# Altium PCB zhanji_2018-4-9-1200.PcbDoc (part 1 of 3) (continued)
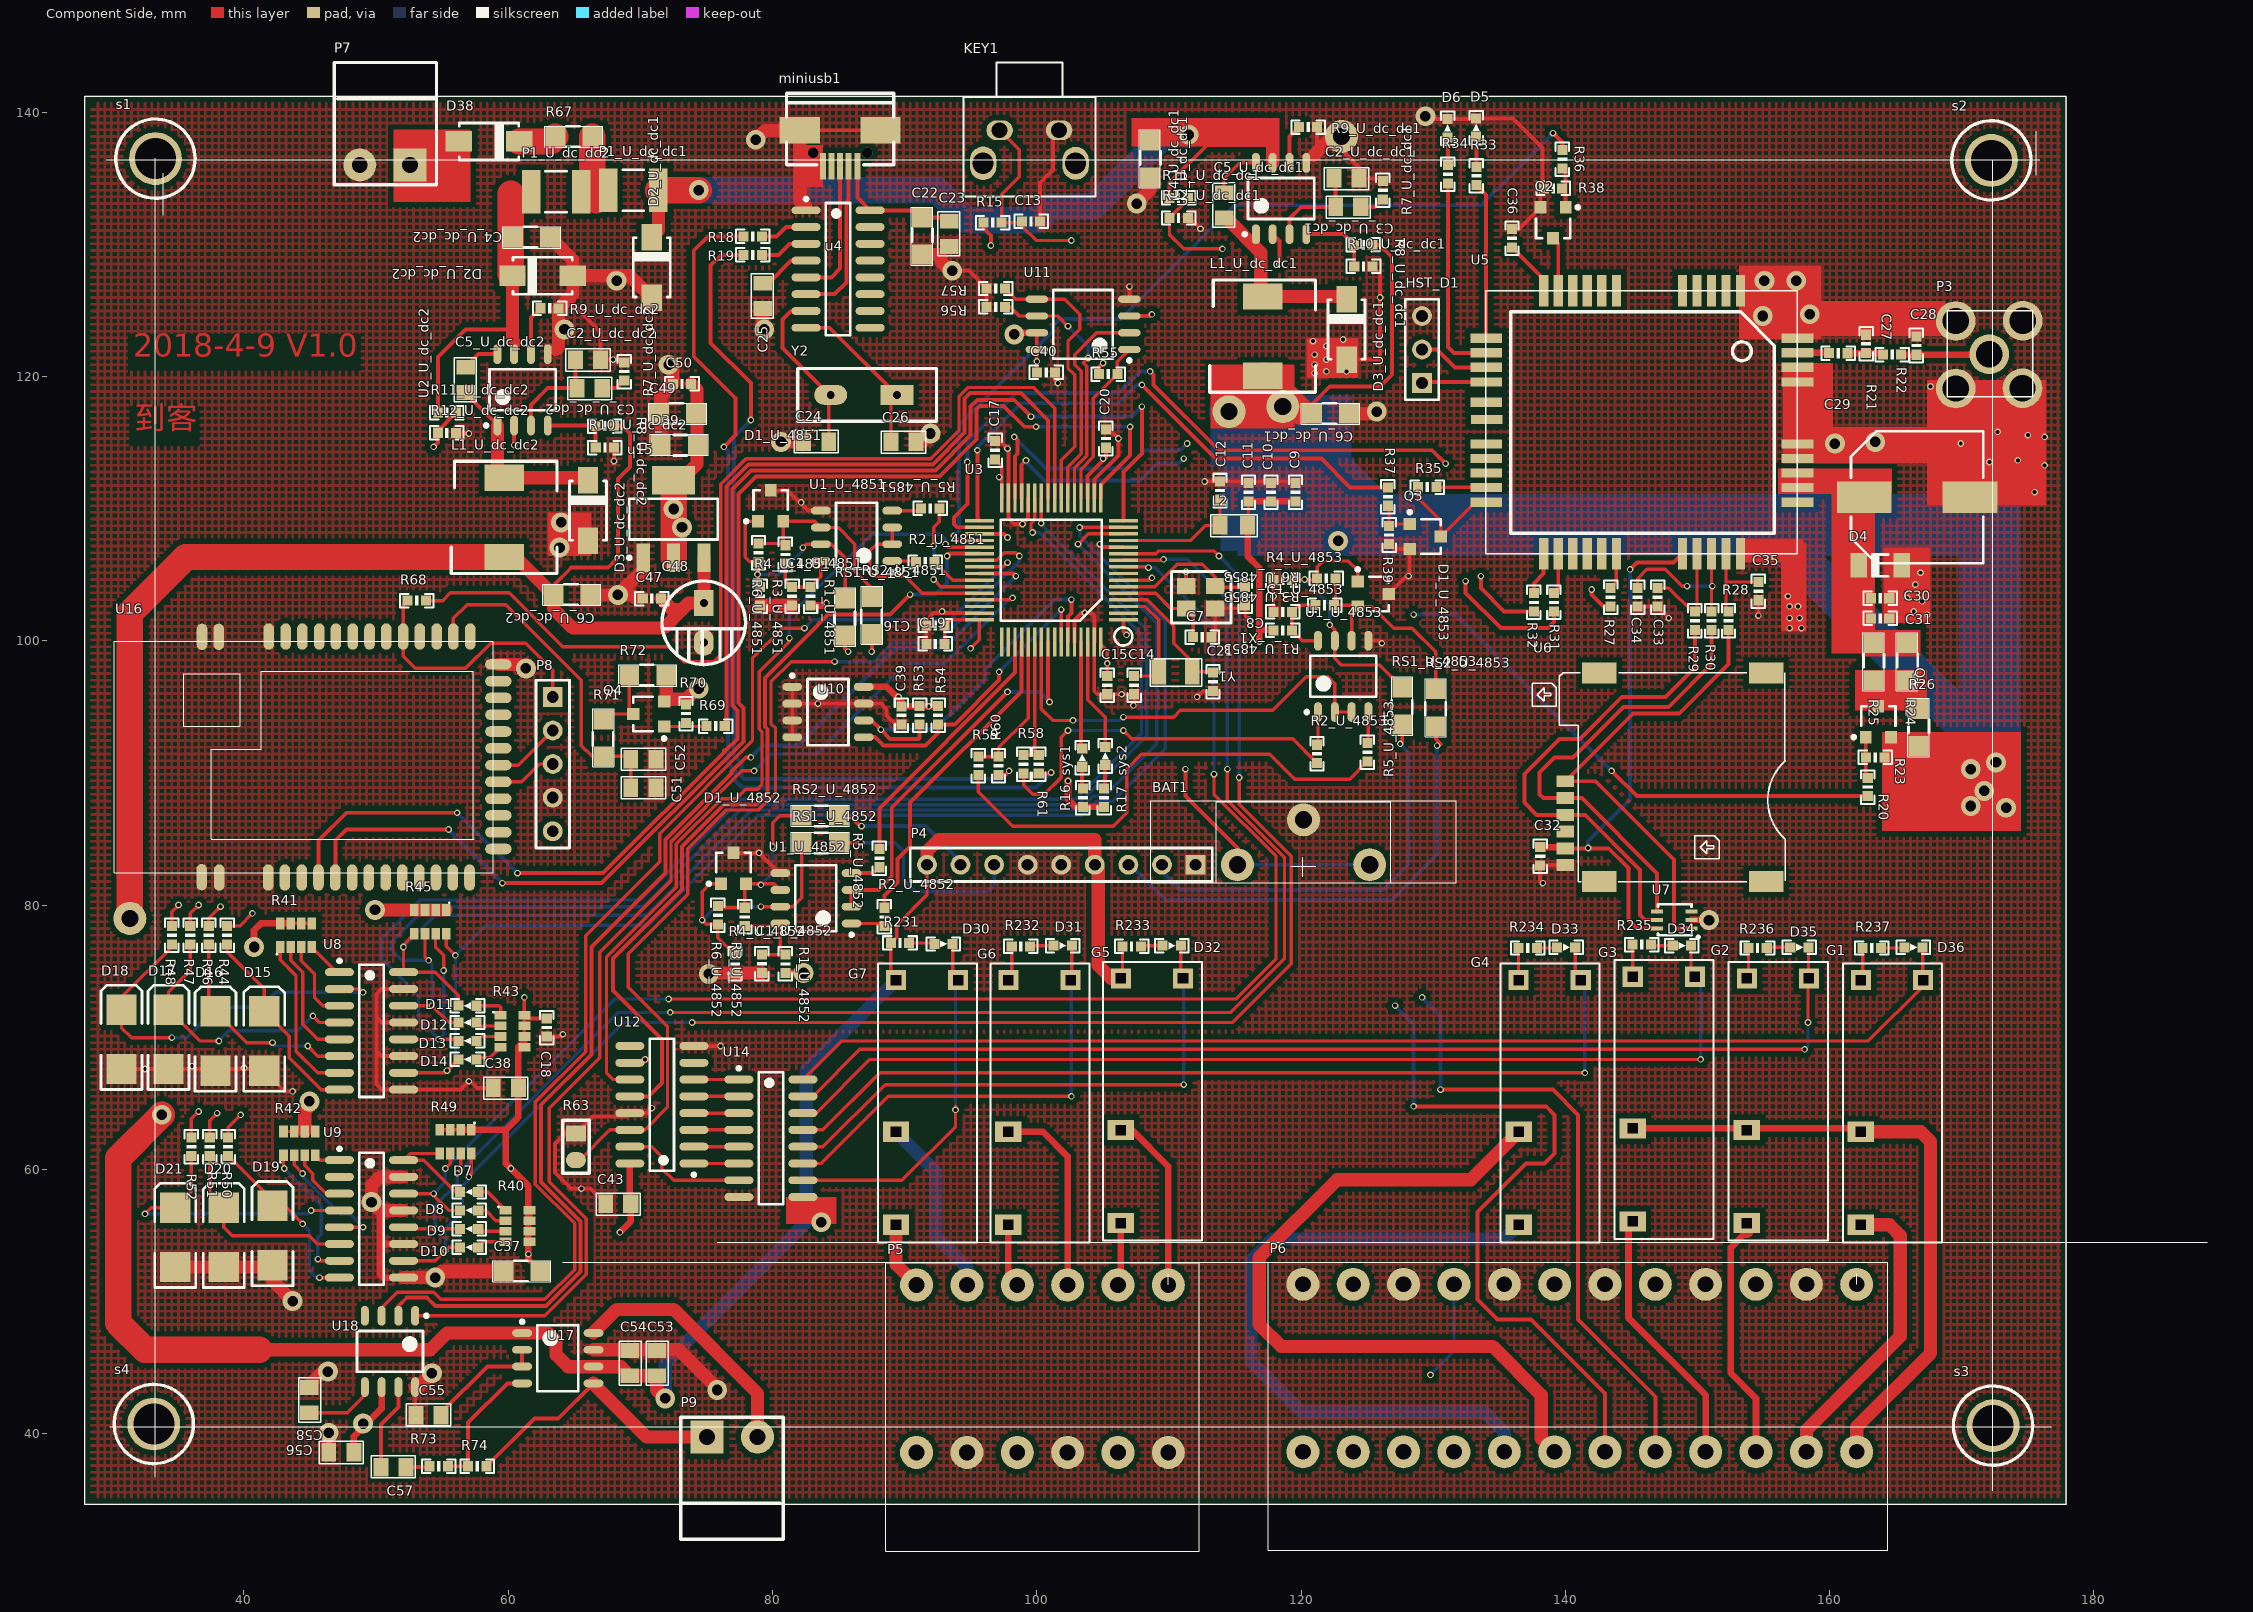
[diagram p0: Component Side view]
## Classes and differential pairs
component class U_4853: C1_U_4853 D1_U_4853 R1_U_4853 R2_U_4853 R3_U_4853 R4_U_4853 R5_U_4853 R6_U_4853 RS1_U_4853 RS2_U_4853 U1_U_4853
component class U_4851: C1_U_4851 D1_U_4851 R1_U_4851 R2_U_4851 R3_U_4851 R4_U_4851 R5_U_4851 R6_U_4851 RS1_U_4851 RS2_U_4851 U1_U_4851
component class U_4852: C1_U_4852 D1_U_4852 R1_U_4852 R2_U_4852 R3_U_4852 R4_U_4852 R5_U_4852 R6_U_4852 RS1_U_4852 RS2_U_4852 U1_U_4852
component class U_dc_dc2: C2_U_dc_dc2 C3_U_dc_dc2 C4_U_dc_dc2 C5_U_dc_dc2 C6_U_dc_dc2 D2_U_dc_dc2 D3_U_dc_dc2 L1_U_dc_dc2 P1_U_dc_dc2 R7_U_dc_dc2 R8_U_dc_dc2 R9_U_dc_dc2 R10_U_dc_dc2 R11_U_dc_dc2 R12_U_dc_dc2 U2_U_dc_dc2
component class U_dc_dc1: C2_U_dc_dc1 C3_U_dc_dc1 C4_U_dc_dc1 C5_U_dc_dc1 C6_U_dc_dc1 D2_U_dc_dc1 D3_U_dc_dc1 L1_U_dc_dc1 P1_U_dc_dc1 R7_U_dc_dc1 R8_U_dc_dc1 R9_U_dc_dc1 R10_U_dc_dc1 R11_U_dc_dc1 R12_U_dc_dc1 U2_U_dc_dc1
component class U_mcu: BAT1 C7 C8 C9 C10 C11 C12 C13 C14 C15 C16 C17 C18 C19 C20 C21 KEY1 L2 R15 R16 R17 s1 s2 s3 s4 sys1 sys2 U3 X1 Y1
component class U_USB转串口调试器: C22 C23 C24 C25 C26 miniusb1 R18 R19 u4 Y2
component class U_WH_GM35: C27 C28 C29 C30 C31 C32 C33 C34 C35 C36 D4 D5 D6 HST_D1 P3 Q1 Q2 Q3 R20 R21 R22 R23 R24 R25 R26 R27 R28 R29 R30 R31 R32 R33 R34 R35 R36 R37 R38 R39 U5 U6 U7
component class U_光耦数据转换: C37 C38 D7 D8 D9 D10 D11 D12 D13 D14 D15 D16 D17 D18 D19 D20 D21 R40 R41 R42 R43 R44 R45 R46 R47 R48 R49 R50 R51 R52 U8 U9
component class U_存储器: C39 C40 R53 R54 R55 R56 R57 U10 U11
component class U_控制器输出: C43 D30 D31 D32 D33 D34 D35 D36 G1 G2 G3 G4 G5 G6 G7 P5 P6 R63 R231 R232 R233 R234 R235 R236 R237 U12 U14
component class U_电源: C47 C48 C49 C50 D38 D39 P7 R67 u15
component class U_蓝牙: C51 C52 P8 Q4 R68 R69 R70 R71 R72 U16
component class U_语音: C53 C54 C55 C56 C57 C58 P9 R73 R74 U17 U18
component class 总设计图: P4 R58 R59 R60 R61
channel class 485: U_4851 U_4852 U_4853
channel class dc_dc: U_dc_dc1 U_dc_dc2

## Components (designator, comment, footprint, x,y, rotation, side; value= is the part's Value field where it differs from the comment)
BAT1 "XH414" "CR2032/2025 电池座 立式" 117.856,84.836 r0 top
C1_U_4851 "104" 0603-C 81.534,103.378 r270 top (schematic designator C1)
C1_U_4852 "104" 0603-C 79.248,75.565 r270 top (schematic designator C1)
C1_U_4853 "104" 0603-C 118.618,102.141 r180 top (schematic designator C1)
C2_U_dc_dc1 "NC" 0805-C 123.444,135.001 r180 top (schematic designator C2)
C2_U_dc_dc2 "NC" 0805-C 66.04,121.285 r180 top (schematic designator C2)
C3_U_dc_dc1 "220P" 0805-C 123.571,132.842 r180 top (schematic designator C3)
C3_U_dc_dc2 "220P" 0805-C 66.167,119.126 r180 top (schematic designator C3)
C4_U_dc_dc1 "10U" 1206-C 108.585,136.525 r90 top (schematic designator C4)
C4_U_dc_dc2 "10U" 1206-C 61.722,130.556 r180 top (schematic designator C4)
C5_U_dc_dc1 "100N" 0805-C 114.173,132.969 r90 top (schematic designator C5)
C5_U_dc_dc2 "100N" 0805-C 56.769,119.761 r90 top (schematic designator C5)
C6_U_dc_dc1 "22U" 1206-C 122.174,117.221 r180 top (schematic designator C6)
C6_U_dc_dc2 "22U" 1206-C 64.77,103.505 r180 top (schematic designator C6)
C7 "6.2pf/ 根据实际匹配" 0603-C 112.522,100.33 r0 top
C8 "6.2pf/ 根据实际匹配" 0603-C 115.824,103.378 r270 top
C9 "104" 0603-C 119.634,111.252 r270 top
C10 "104" 0603-C 117.781,111.252 r270 top
C11 "104" 0603-C 116.078,111.252 r270 top
C12 "104" 0603-C 113.919,111.379 r270 top
C13 "104" 0603-C 99.568,131.699 r180 top
C14 "6.2pf/ 根据实际匹配" 0603-C 107.315,96.647 r90 top
C15 "104" 0603-C 105.283,96.647 r90 top
C16 "104" 0603-C 92.329,101.219 r0 top
C17 "104" 0603-C 96.901,114.427 r270 top
C18 "104" 0603-C 62.865,70.739 r90 top
C19 "104" 0603-C 92.329,99.822 r0 top
C20 "104" 0603-C 105.283,115.316 r270 top
C21 "6.2pf/ 根据实际匹配" 0603-C 113.284,96.901 r90 top
C22 "Cap" 1206-C 91.339,130.683 r90 top
C23 "Cap" 0805-C 93.371,130.81 r90 top
C24 "Cap" 0805-C 83.312,115.062 r0 top
C25 "103" 0805-C 79.248,126.111 r90 top
C26 "Cap" 0805-C 89.916,115.062 r180 top
C27 "Cap" 0603-C 162.814,122.48 r270 top
C28 "Cap" 0603-C 166.624,122.353 r270 top
C29 "220uF" "25V 470UF 10MM*10 SMT" 166.624,110.871 r0 top
C30 "1UF" 0603-C 163.83,103.176 r180 top
C31 "10pF" 0603-C 163.83,101.652 r180 top
C32 "100nF (104) 10% 50V" 0603-C 138.049,83.693 r90 top
C33 "33pF (330) 5% 50V" 0603-C 146.939,103.303 r90 top
C34 "33pF (330) 5% 50V" 0603-C 145.415,103.303 r90 top
C35 "33pF (330) 5% 50V" 0603-C 154.559,103.759 r90 top
C36 "100nF (330) 5% 50V" 0603-C 136.017,130.481 r270 top
C37 "10uf" 1206-C 60.985,52.326 r180 top
C38 "104" 0805-C 59.817,66.167 r180 top
C39 "104" 0603-C 89.813,94.361 r270 top
C40 "104" 0603-C 100.711,120.269 r180 top
C43 "104" 0805-C 68.326,57.404 r180 top
C47 "104" 0603-C 70.866,103.251 r0 top
C48 "220uf 6.3v" 470电容16v 74.803,102.87 r270 top
C49 "220uf 6.3v" 1206-C 72.771,117.221 r180 top
C50 "104" 0603-C 73.152,119.507 r0 top
C51 "106" 0805-C 70.231,88.9 r180 top
C52 "104" 0805-C 70.231,91.059 r180 top
C53 "106" 0805-C 71.247,45.339 r270 top
C54 "104" 0805-C 69.215,45.339 r270 top
C55 "105" 0805-C 53.975,41.402 r0 top
C56 "106" 0805-C 47.371,38.608 r180 top
C57 "105" 0805-C 51.308,37.465 r0 top
C58 "102" 0805-C 44.958,42.545 r270 top
D1_U_4851 "SM712 瞬雷" SOT23-3 79.883,110.109 r0 top (schematic designator D1)
D1_U_4852 "SM712 瞬雷" SOT23-3 77.063,82.677 r0 top (schematic designator D1)
D1_U_4853 "SM712 瞬雷" SOT23-3 125.349,103.538 r270 top (schematic designator D1)
D2_U_dc_dc1 "保护" SMA 70.866,128.27 r90 top (schematic designator D2)
D2_U_dc_dc2 "保护" SMA 62.611,127.635 r180 top (schematic designator D2)
D3_U_dc_dc1 "5819" SMA 123.444,123.571 r90 top (schematic designator D3)
D3_U_dc_dc2 "5819" SMA 66.04,109.855 r90 top (schematic designator D3)
D4 "BV05C" 1206-DI 163.83,105.716 r0 top
D5 "LED" 0603-led-grean 133.223,138.863 r90 top
D6 "LED" 0603-led-grean 131.064,138.811 r90 top
D7 "LED" 0603-led-grean 57.023,58.268 r180 top
D8 "LED" 0603-led-grean 57.023,56.871 r180 top
D9 "LED" 0603-led-grean 57.023,55.474 r180 top
D10 "LED" 0603-led-grean 57.023,54.077 r180 top
D11 "LED" 0603-led-grean 56.896,72.365 r180 top
D12 "LED" 0603-led-grean 56.896,71.095 r180 top
D13 "LED" 0603-led-grean 56.896,69.698 r180 top
D14 "LED" 0603-led-grean 56.896,68.301 r180 top
D15 "TVS_5V" SMB 41.529,69.723 r90 top
D16 "TVS_5V" SMB 37.846,69.723 r90 top
D17 "TVS_5V" SMB 34.29,69.85 r90 top
D18 "TVS_5V" SMB 30.734,69.85 r90 top
D19 "TVS_5V" SMB 42.164,54.991 r90 top
D20 "TVS_5V" SMB 38.481,54.864 r90 top
D21 "TVS_5V" SMB 34.798,54.864 r90 top
D30 "LED" 0603-led-grean 92.964,77.089 r0 top
D31 "LED" 0603-led-grean 101.981,76.962 r0 top
D32 "LED" 0603-led-grean 110.236,76.962 r0 top
D33 "LED" 0603-led-grean 140.081,76.835 r0 top
D34 "LED" 0603-led-grean 148.844,76.962 r0 top
D35 "LED" 0603-led-grean 157.734,76.835 r0 top
D36 "LED" 0603-led-grean 166.37,76.835 r0 top
D38 "Diode 1N4007" SMA 58.547,137.795 r0 top
D39 "保护" 1206-R 73.025,114.808 r0 top
G1 "HF49FD" HF46F05 164.973,65.151 r270 top
G2 "HF49FD" HF46F05 156.337,65.278 r270 top
G3 "HF49FD" HF46F05 147.701,65.405 r270 top
G4 "HF49FD" HF46F05 139.065,65.151 r270 top
G5 "HF49FD" HF46F05 108.966,65.278 r270 top
G6 "HF49FD" HF46F05 100.457,65.151 r270 top
G7 "HF49FD" HF46F05 91.948,65.151 r270 top
HST_D1 "Header 3" HDR1X3 129.159,119.507 r90 top
KEY1 "REST" 侧立按键 99.441,136.144 r180 top
L1_U_dc_dc1 "10UH" 微型电感1.5A 117.094,123.063 r90 top (schematic designator L1)
L1_U_dc_dc2 "10UH" 微型电感1.5A 59.69,109.347 r90 top (schematic designator L1)
L2 "4.7UH" 0805-R 114.935,108.712 r180 top
miniusb1 "micro usb" miniusb 85.37,138.684 r90 top
P1_U_dc_dc1 "保险丝" 1812 69.469,134.112 r180 top (schematic designator P1)
P1_U_dc_dc2 "保险丝" 1812 63.627,133.985 r0 top (schematic designator P1)
P3 "BNC" SMA_KE 172.085,121.666 r270 top
P4 "Header 9" HDR1X9 112.014,83.058 r180 top
P5 "Header 6X2A" "KF15EDG-3.81mmx6 双层" 102.362,38.608 r180 top
P6 "Header 12X2A" "KF15EDG-3.81mmX12 双层" 141.859,43.561 r180 top
P7 "24VIN" 凤凰端子2p 52.578,136.017 r270 top
P8 "jtag" HDR1X5 63.373,95.758 r270 top
P9 "SPEAK" 凤凰端子2p 75.057,39.751 r90 top
Q1 "SI2301" SOT23-3 163.703,93.778 r0 top
Q2 "S8050" SOT23-3 139.065,131.751 r180 top
Q3 "S8050" SOT23-3 129.286,107.875 r270 top
Q4 "SI2301" SOT23-3 70.739,94.488 r90 top
R1_U_4851 "0" 0603-R 82.931,103.378 r90 top (schematic designator R1)
R1_U_4852 "0" 0603-R 81.026,75.565 r90 top (schematic designator R1)
R1_U_4853 "0" 0603-R 118.618,100.744 r0 top (schematic designator R1)
R2_U_4851 "0" 0603-R 91.567,105.918 r0 top (schematic designator R2)
R2_U_4852 "0" 0603-R 88.519,79.121 r90 top (schematic designator R2)
R2_U_4853 "0" 0603-R 121.158,91.44 r270 top (schematic designator R2)
R3_U_4851 "360" 0603-R 81.026,106.553 r90 top (schematic designator R3)
R3_U_4852 "360" 0603-R 77.952,79.121 r90 top (schematic designator R3)
R3_U_4853 "360" 0603-R 121.793,102.649 r0 top (schematic designator R3)
R4_U_4851 "360" 0603-R 79.121,103.378 r90 top (schematic designator R4)
R4_U_4852 "360" 0603-R 77.216,75.565 r90 top (schematic designator R4)
R4_U_4853 "360" 0603-R 118.618,104.554 r0 top (schematic designator R4)
R5_U_4851 "0" 0603-R 91.948,109.982 r0 top (schematic designator R5)
R5_U_4852 "0" 0603-R 88.138,83.566 r90 top (schematic designator R5)
R5_U_4853 "0" 0603-R 124.968,91.567 r270 top (schematic designator R5)
R6_U_4851 "120" 0603-R 78.994,106.68 r90 top (schematic designator R6)
R6_U_4852 "120" 0603-R 75.92,79.248 r90 top (schematic designator R6)
R6_U_4853 "120" 0603-R 121.92,104.681 r0 top (schematic designator R6)
R7_U_dc_dc1 "68.1K" 0603-R 126.238,134.112 r90 top (schematic designator R7)
R7_U_dc_dc2 "68.1K" 0603-R 68.834,120.396 r90 top (schematic designator R7)
R8_U_dc_dc1 "NC" 0603-R 124.714,129.921 r0 top (schematic designator R8)
R8_U_dc_dc2 "NC" 0603-R 67.31,116.205 r0 top (schematic designator R8)
R9_U_dc_dc1 "200K" 0603-R 120.523,138.938 r180 top (schematic designator R9)
R9_U_dc_dc2 "200K" 0603-R 63.119,125.222 r180 top (schematic designator R9)
R10_U_dc_dc1 "40.2K" 0603-R 124.714,128.397 r180 top (schematic designator R10)
R10_U_dc_dc2 "40.2K" 0603-R 67.31,114.681 r180 top (schematic designator R10)
R11_U_dc_dc1 "100K" 0603-R 110.744,133.477 r0 top (schematic designator R11)
R11_U_dc_dc2 "100K" 0603-R 55.372,117.221 r0 top (schematic designator R11)
R12_U_dc_dc1 "24.9K" 0603-R 110.744,131.953 r0 top (schematic designator R12)
R12_U_dc_dc2 "24.9K" 0603-R 55.372,115.697 r0 top (schematic designator R12)
R15 "10K" 0603-R 96.647,131.699 r180 top
R16 "1k" 0603-R 103.543,88.138 r90 top
R17 "1k" 0603-R 105.156,88.138 r90 top
R18 "1KΩ (1001) ±1%" 0603-R 78.512,130.556 r0 top
R19 "1KΩ (1001) ±1%" 0603-R 78.512,129.159 r0 top
R20 "10k" 0603-R 162.941,88.952 r90 top
R21 "0Ω (0R0) ±1%" 0603-R 160.655,121.718 r0 top
R22 "Res1" 0603-R 164.719,121.718 r180 top
R23 "100k" 0603-R 163.449,91.238 r180 top
R24 "0Ω (0R) ±5%" 1206-R 165.887,98.504 r90 top
R25 "0Ω (0R) ±5%" 1206-R 163.347,98.504 r90 top
R26 "NC" 1206-R 166.751,93.524 r90 top
R27 "1KΩ (1001) ±1%" 0603-R 143.383,103.303 r270 top
R28 "22Ω (22R0) ±1%" 0603-R 152.4,101.525 r90 top
R29 "22Ω (22R0) ±1%" 0603-R 149.86,101.525 r90 top
R30 "22Ω (22R0) ±1%" 0603-R 151.13,101.525 r90 top
R31 "22Ω (22R0) ±1%" 0603-R 139.192,102.922 r90 top
R32 "22Ω (22R0) ±1%" 0603-R 137.668,102.922 r90 top
R33 "1KΩ (1001) ±1%" 0603-R 133.223,135.18 r270 top
R34 "1KΩ (1001) ±1%" 0603-R 131.064,135.307 r270 top
R35 "10k" 0603-R 129.54,111.685 r180 top
R36 "4.7K" 0603-R 139.827,136.45 r90 top
R37 "4.7K" 0603-R 126.619,110.923 r90 top
R38 "47k" 0603-R 139.065,134.291 r180 top
R39 "47k" 0603-R 126.619,108.002 r270 top
R40 "1206-排阻" CAF-80P160X100-8N 60.706,55.728 r0 top
R41 "1206-排阻" CAF-80P160X100-8N 43.942,77.724 r90 top
R42 "1206-排阻" CAF-80P160X100-8N 44.196,61.976 r90 top
R43 "1206-排阻" CAF-80P160X100-8N 60.325,70.46 r0 top
R44 "10Ω (1001) ±1%" 0603-R 38.786,77.737 r90 top
R45 "1206-排阻" CAF-80P160X100-8N 54.102,78.74 r270 top
R46 "10Ω (1001) ±1%" 0603-R 37.389,77.737 r90 top
R47 "10Ω (1001) ±1%" 0603-R 35.992,77.737 r90 top
R48 "10Ω (1001) ±1%" 0603-R 34.595,77.737 r90 top
R49 "1206-排阻" CAF-80P160X100-8N 56.007,62.103 r270 top
R50 "10Ω (1001) ±1%" 0603-R 38.862,61.722 r90 top
R51 "10Ω (1001) ±1%" 0603-R 37.465,61.722 r90 top
R52 "10Ω (1001) ±1%" 0603-R 36.068,61.722 r90 top
R53 "4.7KΩ (22R0) ±1%" 0603-R 91.083,94.361 r270 top
R54 "4.7KΩ (22R0) ±1%" 0603-R 92.48,94.361 r270 top
R55 "100k" 0603-R 105.41,120.142 r0 top
R56 "100k" 0603-R 96.901,125.222 r0 top
R57 "100k" 0603-R 96.901,126.619 r0 top
R58 "0" 0603-R 99.06,90.678 r90 top
R59 "0" 0603-R 95.631,90.551 r90 top
R60 "0" 0603-R 97.155,90.551 r90 top
R61 "0" 0603-R 100.203,90.678 r90 top
R63 "10K" 0805_R 65.024,61.722 r270 top
R67 "0Ω (0R) ±5%" 1206-R 64.897,138.176 r180 top
R68 "0R" 0603-R 53.086,102.997 r0 top
R69 "10k" 0603-R 75.692,93.599 r180 top
R70 "100k" 0603-R 73.406,94.488 r270 top
R71 "0Ω (0R) ±5%" 1206-R 67.183,92.583 r270 top
R72 "NC" 1206-R 70.485,97.409 r180 top
R73 "10K" 0603-R 54.737,37.592 r180 top
R74 "20K" 0603-R 57.658,37.592 r180 top
R231 "1k" 0603-R 89.662,77.089 r0 top
R232 "1k" 0603-R 98.806,76.835 r0 top
R233 "1k" 0603-R 107.188,76.835 r0 top
R234 "1k" 0603-R 137.16,76.708 r0 top
R235 "1k" 0603-R 145.796,76.962 r0 top
R236 "1k" 0603-R 154.559,76.708 r0 top
R237 "1k" 0603-R 163.195,76.708 r0 top
RS1_U_4851 "10R" 1206-R 85.471,101.727 r270 top (schematic designator RS1)
RS1_U_4852 "10R" 1206-R 83.693,84.709 r0 top (schematic designator RS1)
RS1_U_4853 "10R" 1206-R 127.635,94.996 r270 top (schematic designator RS1)
RS2_U_4851 "10R" 1206-R 87.503,101.854 r270 top (schematic designator RS2)
RS2_U_4852 "10R" 1206-R 83.693,86.741 r0 top (schematic designator RS2)
RS2_U_4853 "10R" 1206-R 130.175,94.869 r270 top (schematic designator RS2)
s1 "3mm螺丝孔" 3mm螺丝孔 35.306,134.493 r0 top
s2 "3mm螺丝孔" 3mm螺丝孔 174.244,134.366 r0 top
s3 "3mm螺丝孔" 3mm螺丝孔 174.371,38.608 r0 top
s4 "3mm螺丝孔" 3mm螺丝孔 35.179,38.735 r0 top
sys1 "LED" 0603-led-grean 103.416,91.186 r90 top
sys2 "LED" 0603-led-grean 105.156,91.313 r90 top
U1_U_4851 "SP3485" SOP-8 86.36,107.95 r180 top (schematic designator U1)
U1_U_4852 "SP3485" SOP-8 83.286,80.518 r180 top (schematic designator U1)
U1_U_4853 "SP3485" SOP-8 123.19,97.315 r90 top (schematic designator U1)
U2_U_dc_dc1 "MP1584" SOP-8 118.491,133.477 r90 top (schematic designator U2)
U2_U_dc_dc2 "MP1584" SOP-8 61.087,118.999 r90 top (schematic designator U2)
U3 "STM32F103RDT6" LQFP64 106.553,101.6 r180 top
u4 "ch340" SOP-16 84.963,128.143 r0 top
U5 "G3524" WH-GM35 151.765,115.951 r270 top
U6 "Micro SIM" "Micro SIM" 142.569,81.788 r90 top
U7 "SMF05C" SMF05C 149.554,78.232 r180 top
U8 "TLP281-4" SOP-16 49.657,70.485 r0 top
U9 "TLP281-4" SOP-16 49.657,56.261 r0 top
U10 "24C0X" SOP-8 84.201,94.615 r0 top
U11 "W25X16" 大内存-SOIC127P780X216-8N 103.505,123.952 r180 top
U12 "74HC595" SOP-16 71.628,64.897 r180 top
U14 "ULN2003" SOP-16 79.883,62.357 r0 top
u15 "AMS-3.3" AMS1117-3d 72.517,109.22 r90 top
U16 "E72-2G4M23S" E72-2G4M23S 47.498,90.932 r270 top
U17 "LM4890" SOP-8 63.754,45.72 r0 top
U18 "WIN6 语音" SOP-8 51.054,46.228 r270 top
X1 "8M" 3225 112.395,103.251 r180 top
Y1 "XTAL-32.768" 32.763K-DFN240P320X90-2N 110.49,97.663 r180 top
Y2 "XTAL 12M" 晶振 89.408,118.618 r180 top

## Footprints (in the part's own frame and the unit in brackets; to place one, negate y for a bottom-side part, rotate by r counter-clockwise, add the part's x,y. Pads: shape width x height; smd on the part's side, far side on the other; paste and mask are expansions set on the pad)
3mm螺丝孔 [mm]
  round 4 hole 3.1: 1(-2,2)
  silkscreen extent -5,-1 1,5, body extent -5,-1 1,5, height 10
"25V 470UF 10MM*10 SMT" [mm]
  rect 4.15x2.35 smd: 1(-4,0) 2(4,0)
  silkscreen extent -5,-5 5,5, body extent -5,-5 5,5, height 10
32.763K-DFN240P320X90-2N [mm] "DFN, 2-Leads, Body 1.50x3.20mm, Pitch 2.40mm, IPC Medium Density"
  rect 1.1x1.9 smd: 1(-1.275,0) 2(1.275,0)
  silkscreen extent -1.98,-0.99 1.91,1.09, body extent -1.65,-0.8 1.65,0.8, height 0.9
470电容16v [mm]
  rect 2x1.5 hole 0.6: 1(0,0)
  oval 2x1.5 hole 0.6: 2(3,0)
  silkscreen extent -1.66,-3.16 4.66,3.16, body extent -1.5,-3.21 4.92,3.21, height 11.7
0603-C [mil] "Chip Capacitor, 2-Leads, Body 2.54x0.80mm, IPC Medium Density"
  rect 30x30 smd: 1(-27,-2) 2(27.5,-2.06)
  silkscreen extent -50,-22 50,18, body extent -51,-22 52,17, height 35
0603-led-grean [mil]
  rect 30x30 smd: A(-28,-1) K(26.5,-1.06)
  silkscreen extent -51,-21 49,19, body extent -32,-16 32,16, height 24
0603-R [mil] "Chip Resistor, 2-Leads, Body 2.54x0.80mm, IPC Medium Density"
  rect 30x30 smd: 1(-27.5,2.06) 2(27,2)
  silkscreen extent -50,-18 50,22, body extent -32,-14 31,18, height 18
0805-C [mm] "Chip Capacitor, 2-Leads, Body 3.20x1.25mm, IPC Medium Density"
  rect 1.14x1.4 smd: 1(-0.95,0)
  rect 1.12x1.4 smd: 2(0.95,0)
  silkscreen extent -1.68,-0.81 1.68,0.86, body extent -1.5,-0.72 1.5,0.68, height 0.93
0805-R [mm] "Chip Resistor, 2-Leads, Body 3.20x1.25mm, IPC Medium Density"
  rect 1.14x1.4 smd: 1(-1.025,-0.025)
  rect 1.12x1.4 smd: 2(1.075,-0.025)
  silkscreen extent -1.75,-0.85 1.78,0.84, body extent -0.95,-0.7 1.05,0.56, height 0.55
0805_R [mil]
  rect 47.68x59.49 smd: 1(-39,4)
  oval 47.64x59.45 smd: 2(39.74,4)
  silkscreen extent -78,-35 79,43, body extent -39,-21 40,29, height 22
1206-C [mm] "Chip Capacitor, 2-Leads, Body 5.00x1.60mm, IPC Medium Density"
  rect 1.5x1.5 smd: 1(-1.451,0.025) 2(1.349,0.025)
  silkscreen extent -2.25,-0.77 2.15,0.83, body extent -2.13,-0.87 2.07,0.93, height 0.95
1206-DI [mm] "MELF Diode, 2-Leads, Body 3.50x1.65mm, IPC Medium Density"
  rect 1.25x1.85 smd: 1(1.625,0) 2(-1.625,0)
  silkscreen extent -0.6,-0.83 0.6,0.82, body extent -1.85,-0.85 1.85,0.85, height 1.69
1206-R [mm] "Chip Resistor, 2-Leads, Body 5.00x1.60mm, IPC Medium Density"
  rect 1.5x1.5 smd: 1(-1.476,0.025) 2(1.324,0.025)
  silkscreen extent -2.28,-0.77 2.12,0.83, body extent -1.65,-0.8 1.55,0.8, height 0.6
1812 [mm] "Chip Capacitor, Body 4.5x3.2mm, IPC High Density"
  rect 1.4x3.3 smd: 1(-1.9,0) 2(1.9,0)
  silkscreen extent -0.8,-1.55 0.8,1.55, body extent -2.4,-1.7 2.4,1.7, height 1.4
3225 [mm]
  rect 1.4x1.2 smd: 1(-1.1,-0.9) 2(1.1,-0.9) 3(1.1,0.8) 4(-1.1,0.8)
  silkscreen extent -2.3,-2 2.2,1.9, body extent -1.1,-0.9 1,0.8, height 0.56
AMS1117-3d [mm] "SOT223, 4-Leads, Body 6.50x7.00mm (avg), Pitch 2.30mm, IPC Medium Density"
  rect 2.15x1 smd: 1(-2.925,2.3) 2(-2.925,0) 3(-2.925,-2.3)
  rect 2.15x3.25 smd: 2(2.925,0)
  silkscreen extent -3.05,-3.35 1.55,3.47, body extent -3.48,-3.25 3.48,3.25, height 1.7
CAF-80P160X100-8N [mm]
  rect 0.9x0.65 smd: 1(-0.9,1.2) 2(-0.9,0.4) 3(-0.9,-0.4) 4(-0.9,-1.2) 5(0.9,-1.2) 6(0.9,-0.4) 7(0.9,0.4) 8(0.9,1.2)
  silkscreen extent -1.49,1.39 -1.39,1.49, body extent -0.92,-1.73 0.92,1.73, height 0.6
"CR2032/2025 电池座 立式" [mm] "CR2032/2025 电池座 立式"
  round 2.5 hole 1.3: 1(-2.667,-1.778) 1(7.341,-1.778) 2(2.337,1.626)
  silkscreen extent -9.22,-3.15 13.89,3.05, body extent -9.25,-3.2 13.92,3.07, height 14.7
E72-2G4M23S [mm]
  oval 2x0.8 smd: 1(8.814,-10.693) 2(8.839,-9.373) 3(8.839,-5.664) 4(8.839,-4.394) 5(8.839,-3.124) 6(8.839,-1.854) 7(8.839,-0.584) 8(8.839,0.686) 9(8.839,1.956) 10(8.839,3.226) 11(8.839,4.496) 12(8.839,5.766) 13(8.839,7.036) 14(8.839,8.306) 15(8.839,9.576) 28(-9.398,9.627) 29(-9.398,8.357) 30(-9.398,7.087) 31(-9.398,5.817) 32(-9.398,4.547) 33(-9.398,3.277) 34(-9.398,2.007) 35(-9.398,0.737) 36(-9.398,-0.533) 37(-9.398,-1.803) 38(-9.398,-3.073) 39(-9.398,-4.343) 40(-9.398,-5.613) 41(-9.373,-9.398) 42(-9.373,-10.668)
  oval 0.8x2 smd: 16(6.68,11.76) 17(5.41,11.76) 18(4.14,11.76) 19(2.87,11.76) 20(1.6,11.76) 21(0.33,11.76) 22(-0.94,11.76) 23(-2.21,11.76) 24(-3.48,11.76) 25(-4.75,11.76) 26(-6.02,11.76) 27(-7.29,11.76)
  silkscreen extent -9.04,-17.32 8.48,11.38, body extent -9.04,-17.32 8.48,11.38, height 1.8
HDR1X3 [mm] "Connector; Header; 3 Position"
  rect 1.5x1.5 hole 0.9: 1(0,0)
  round 1.5 hole 0.9: 2(2.54,0) 3(5.08,0)
  silkscreen extent -1.27,-1.27 6.35,1.27
HDR1X5 [mm] "Connector; Header; 5 Position"
  rect 1.5x1.5 hole 0.9: 1(0,0)
  round 1.5 hole 0.9: 2(2.54,0) 3(5.08,0) 4(7.62,0) 5(10.16,0)
  silkscreen extent -1.27,-1.27 11.43,1.27
HDR1X9 [mm] "Connector; Header; 9 Position"
  rect 1.5x1.5 hole 0.9: 1(0,0)
  round 1.5 hole 0.9: 2(2.54,0) 3(5.08,0) 4(7.62,0) 5(10.16,0) 6(12.7,0) 7(15.24,0) 8(17.78,0) 9(20.32,0)
  silkscreen extent -1.27,-1.27 21.59,1.27
HF46F05 [mm]
  rect 1.524x1.524 hole 0.762 square: 1(-9.18,2.1) 2(-9.18,-2.6)
  rect 1.524x2 hole 0.762 square: 3(2.3,-2.6) 4(9.34,-2.6)
  silkscreen extent -10.43,-3.97 10.67,3.53, body extent -10.5,-4.04 10.75,3.6, height 15.3
"KF15EDG-3.81mmx6 双层" [mm] "KF15EDG-3.81mm 双层"
  round 2.5 hole 1.2: 1(-7.595,0.025) 2(-3.785,0.025) 3(0.025,0.025) 4(3.835,0.025) 5(7.645,0.025) 6(11.455,0.025) 7(-7.595,-12.649) 7(-7.595,-12.649) 8(-3.785,-12.649) 9(0.025,-12.649) 10(3.835,-12.649) 11(7.645,-12.649) 12(11.455,-12.649)
  silkscreen extent -9.93,-14.33 13.79,7.49, body extent -9.96,-14.35 13.82,7.52, height 22.8
"KF15EDG-3.81mmX12 双层" [mm]
  round 2.5 hole 1.2: 1(-20.193,4.928) 2(-16.383,4.928) 3(-12.573,4.928) 4(-8.763,4.928) 5(-4.953,4.928) 6(-1.143,4.928) 7(2.667,4.928) 8(6.477,4.928) 9(10.287,4.928) 10(14.097,4.928) 11(17.907,4.928) 12(21.717,4.928) 13(-20.193,-7.747) 14(-16.383,-7.747) 15(-12.573,-7.747) 16(-8.763,-7.747) 17(-4.953,-7.747) 18(-1.143,-7.747) 19(2.667,-7.747) 20(6.477,-7.747) 21(10.287,-7.747) 22(14.097,-7.747) 23(17.907,-7.747) 24(21.717,-7.747)
  silkscreen extent -22.53,-9.42 24.33,12.4, body extent -22.55,-9.45 24.31,12.42, height 22.8
LQFP64 [mm] "LQFP64"
  rect 2.2x0.254 smd: 1(0,0) 2(0,-0.5) 3(0,-1) 4(0,-1.5) 5(0,-2) 6(0,-2.5) 7(0,-3) 8(0,-3.5) 9(0,-4) 10(0,-4.5) 11(0,-5) 12(0,-5.5) 13(0,-6) 14(0,-6.5) 15(0,-7) 16(0,-7.5) 33(10.9,-7.5) 34(10.9,-7) 35(10.9,-6.5) 36(10.9,-6) 37(10.9,-5.5) 38(10.9,-5) 39(10.9,-4.5) 40(10.9,-4) 41(10.9,-3.5) 42(10.9,-3) 43(10.9,-2.5) 44(10.9,-2) 45(10.9,-1.5) 46(10.9,-1) 47(10.9,-0.5) 48(10.9,0)
  rect 0.254x2.2 smd: 17(1.7,-9.2) 18(2.2,-9.2) 19(2.7,-9.2) 20(3.2,-9.2) 21(3.7,-9.2) 22(4.2,-9.2) 23(4.7,-9.2) 24(5.2,-9.2) 25(5.7,-9.2) 26(6.2,-9.2) 27(6.7,-9.2) 28(7.2,-9.2) 29(7.7,-9.2) 30(8.2,-9.2) 31(8.7,-9.2) 32(9.2,-9.2) 49(9.2,1.7) 50(8.7,1.7) 51(8.2,1.7) 52(7.7,1.7) 53(7.2,1.7) 54(6.7,1.7) 55(6.2,1.7) 56(5.7,1.7) 57(5.2,1.7) 58(4.7,1.7) 59(4.2,1.7) 60(3.7,1.7) 61(3.2,1.7) 62(2.7,1.7) 63(2.2,1.7) 64(1.7,1.7)
  silkscreen extent -0.68,-7.56 9.26,1.95, body extent -0.33,-9.47 11.25,2.11, height 1.02
"Micro SIM" [mm] "6P 自?"
  rect 0.9x1.34 smd: 1(1.24,2.565) 2(2.51,2.565) 3(3.78,2.565) 4(5.05,2.565) 5(6.32,2.565) 6(7.59,2.565)
  rect 1.56x2.61 smd: ""(0,0) ""(0,-12.63) ""(15.78,-12.63) ""(15.78,0)
  silkscreen extent 0,-14.06 15.82,5.08
miniusb [mm]
  round 0.8 hole 0.8: 0(-1.75,-1.8) 0(-1.75,2.275)
  rect 2x0.45 smd: 1(-2.75,-1.05) 2(-2.75,-0.4) 3(-2.75,0.25) 4(-2.75,1.55) ""(-2.75,0.9)
  rect 2x3.048 smd: 5(-0.05,-2.798) 6(-0.05,3.298)
  silkscreen extent -2.65,-3.81 2.75,4.31, body extent -3.21,-4.5 2.73,5, height 2.67
SMA [mm] "Molded Capacitor, 2-Leads, Body 4.25x2.67mm, IPC Medium Density"
  rect 2x1.55 smd: A(-2.286,0) K(2.286,0)
  silkscreen extent -2.25,-1.4 2.25,1.4, body extent -2.33,-1.32 2.34,1.33, height 2.25
SMA_KE [mm]
  round 3 hole 2: 1(-0.025,0) 2(-2.565,2.54) 2(-2.54,-2.54) 2(2.54,2.515) 2(2.565,-2.54)
  silkscreen extent -3.3,-3.18 3.18,3.3, body extent -3.35,-3.22 3.22,3.35, height 8
SMB [mm] "DO-214-AA/SMB; 2 C-Bend Leads; Body 5.3 x 3.6 mm, inc. leads (LxW)"
  rect 2.3x2.3 smd: 1(-2.25,0) 2(2.25,0)
  silkscreen extent -3.8,-1.55 4.1,1.55
SMF05C [mm] "SOT-363"
  rect 0.9x0.3 smd: 1(0,0) 2(0,-0.65) 3(0,-1.3) 4(2.6,-1.3) 5(2.6,-0.65) 6(2.6,0)
  silkscreen extent -0.51,-1.84 2.54,0.63
SOP-8 [mm]
  oval 1.5x0.6 smd: 1(-2.7,1.905) 2(-2.7,0.635) 3(-2.7,-0.635) 4(-2.7,-1.905) 5(2.7,-1.905) 6(2.7,-0.635) 7(2.7,0.635) 8(2.7,1.905)
  silkscreen extent -2.83,-2.5 1.55,2.88, body extent -3,-2.45 3,2.45, height 1.7
SOP-16 [mm]
  oval 2.2x0.6 smd: 1(-2.425,4.445) 2(-2.425,3.175) 3(-2.425,1.905) 4(-2.425,0.635) 5(-2.425,-0.635) 6(-2.425,-1.905) 7(-2.425,-3.175) 8(-2.425,-4.445) 9(2.425,-4.445) 10(2.425,-3.175) 11(2.425,-1.905) 12(2.425,-0.635) 13(2.425,0.635) 14(2.425,1.905) 15(2.425,3.175) 16(2.425,4.445)
  silkscreen extent -2.55,-5 0.93,5.42, body extent -3,-4.95 3,4.95
SOT23-3 [mm] "s8050"
  rect 0.9x0.95 smd: 1(0.933,-1.064) 2(-0.967,-1.064) 3(-0.017,1.286)
  silkscreen extent -2,-1.18 1.28,1.29, body extent -1.45,-1.4 1.45,1.4, height 1.2
WH-GM35 [mm]
  rect 2.4x0.7 smd: 1(-10.55,1.5) 2(-10.55,0.4) 3(-10.55,-0.7) 4(-10.55,-1.8) 5(-10.55,-2.9) 6(-10.55,-7.9) 7(-10.55,-9) 8(-10.55,-10.1) 9(-10.55,-11.2) 10(-10.55,-12.3) 11(-10.55,-13.4) 21(9.35,-13.4) 22(9.35,-12.3) 23(9.35,-11.2) 24(9.35,-10.1) 25(9.35,-9) 26(9.35,-7.9) 27(9.35,-2.9) 28(9.35,-1.8) 29(9.35,-0.7) 30(9.35,0.4) 31(9.35,1.5)
  rect 0.7x2.4 smd: 12(-6.95,-17.75) 13(-5.85,-17.75) 14(-4.75,-17.75) 15(-3.65,-17.75) 16(1.05,-17.75) 17(2.15,-17.75) 18(3.25,-17.75) 19(4.35,-17.75) 20(5.45,-17.75) 32(5.45,5.8) 33(4.35,5.8) 34(3.25,5.8) 35(2.15,5.8) 36(1.05,5.8) 37(-3.65,5.8) 38(-4.75,5.8) 39(-5.85,5.8) 40(-6.95,5.8) 41(-2.1,-17.75) 42(-0.8,-17.7)
  silkscreen extent -10.55,-17.8 9.35,5.8
侧立按键 [mm]
  oval 2x1.5 hole 1.2: 1(-2.25,-2.5) 2(2.25,-2.5)
  oval 2x2.5 hole 1.6: 3(-3.5,0)
  oval 2x2.53 hole 1.6: 3(3.5,0)
  silkscreen extent -5,-7.62 5,2.5, body extent -5,-7.62 5,2.5, height 7
凤凰端子2p [mm]
  round 2.5 hole 1.2: 1(0,-3.81)
  rect 2.5x2.5 hole 1.2: 2(0,0)
  silkscreen extent -7.75,-5.75 1.5,2, body extent -7.75,-5.75 1.5,2, height 7
大内存-SOIC127P780X216-8N [mm] "SOIC, 8-Leads, Body 5.18x5.23mm, Pitch 1.27mm, IPC Medium Density"
  oval 1.7x0.55 smd: 1(-3.5,1.905) 2(-3.5,0.635) 3(-3.5,-0.635) 4(-3.5,-1.905) 5(3.5,-1.905) 6(3.5,-0.635) 7(3.5,0.635) 8(3.5,1.905)
  silkscreen extent -3.63,-2.6 2.25,2.85, body extent -3.9,-2.6 3.9,2.6, height 2.16
微型电感1.5A [mm]
  rect 2x3 smd: 1(-3,0) 2(3,0)
  silkscreen extent -4.25,-4 4.25,4, body extent -4.38,-4.13 4.38,4.13, height 4
晶振 [mm]
  rect 2.5x1.5 hole 0.6: 1(0,0)
  oval 2.5x1.5 hole 0.6: 2(5,0)
  silkscreen extent -3,-2 7.5,2, body extent -3.05,-2.35 8.13,2.35, height 3.68

## Part data
BAT1: "XH414 IV01E"
C1_U_4851 C1_U_4852 C1_U_4853 C2_U_dc_dc1 C2_U_dc_dc2 C3_U_dc_dc1 C3_U_dc_dc2 C4_U_dc_dc1 C4_U_dc_dc2 C5_U_dc_dc1 C5_U_dc_dc2 C6_U_dc_dc1 C6_U_dc_dc2 C9 C10 C11 C12 C13 C14 C15 C16 C17 C18 C19 C20 C21 C25 C37 C38 C39 C40 C43 C47 C50 C51 C52 C53 C54 C55 C56 C57 C58: library part C
C7 C8: library part Cap, "贴片电容"
C22 C23 C24 C26 C27 C28: "Capacitor"
C29 C48 C49: library part "Cap Pol1", "Polarized Capacitor (Radial)"
C30 C31: library part Cap, "Capacitor"
C32: library part "0603 100nF (1", "贴片电容"
C33 C34 C35 C36: library part "0603 33pF (330)", "贴片电容"
D2_U_dc_dc1 D2_U_dc_dc2 D3_U_dc_dc1 D3_U_dc_dc2 D4 D39: library part "D Zener", "Zener Diode"
D5 D6 D7 D8 D9 D10 D11 D12 D13 D14 D30 D31 D32 D33 D34 D35 D36 sys1 sys2: library part LED2, "Typical RED, GREEN, YELLOW, AMBER GaAs LED"
D15 D16 D17 D18 D19 D20 D21: library part "D Schottky", "Schottky Diode"
D38: "1 Amp General Purpose Rectifier"
HST_D1: "Header, 3-Pin"
KEY1: library part KEY_M
L1_U_dc_dc1 L1_U_dc_dc2 L2: library part Inductor, "Inductor"
miniusb1: library part "Header 6", "Header, 6-Pin"
P1_U_dc_dc1 P1_U_dc_dc2: library part "Header 2H", "Header, 2-Pin, Right Angle"
P3: "BNC Elbow Connector"
P4: "Header, 9-Pin"
P5: "Header, 6-Pin, Dual row"
P6: "Header, 12-Pin, Dual row"
P7 P9: library part "Header 2", "Header, 2-Pin"
P8: library part "Header 5", "Header, 5-Pin"
Q1 Q4: library part MOSFET-P, "P-Channel MOSFET"
Q2 Q3: library part NPN, "8050/BCW846/BCW847"
R1_U_4851 R1_U_4852 R1_U_4853 R2_U_4851 R2_U_4852 R2_U_4853 R3_U_4851 R3_U_4852 R3_U_4853 R4_U_4851 R4_U_4852 R4_U_4853 R5_U_4851 R5_U_4852 R5_U_4853 R6_U_4851 R6_U_4852 R6_U_4853 R58 R59 R60 R61 R63 R68 R73 R74 RS1_U_4851 RS1_U_4852 RS1_U_4853 RS2_U_4851 RS2_U_4852 RS2_U_4853: library part Res2, "Resistor"
R7_U_dc_dc1 R7_U_dc_dc2 R8_U_dc_dc1 R8_U_dc_dc2 R9_U_dc_dc1 R9_U_dc_dc2 R10_U_dc_dc1 R10_U_dc_dc2 R11_U_dc_dc1 R11_U_dc_dc2 R12_U_dc_dc1 R12_U_dc_dc2 R15 R16 R17 R20 R23 R35 R36 R37 R38 R39 R69 R70 R231 R232 R233 R234 R235 R236 R237: library part R
R18 R19 R24 R25 R26 R27 R33 R34 R44 R46 R47 R48 R50 R51 R52 R67 R71 R72: library part "0603 1KΩ", "贴片电阻"
R21: library part "0603 0?", "贴片电阻"
R22: "Resistor"
R28 R29 R30 R31 R32 R53 R54: library part "0603 22Ω", "贴片电阻"
R55 R56 R57: library part Res, "贴片电阻"
U1_U_4851 U1_U_4852 U1_U_4853: library part MAX3485
U5: library part Component_1
U7: "TVS"
X1: library part 50M晶振
Y1 Y2: library part XTAL, "Crystal Oscillator"

## Free pads (board coordinates)
  round 2.5 hole 1.3: 2(123.063,138.176) 3(114.554,117.348) 3(118.618,117.729) 4(31.369,78.994)

## Via types
v1: diameter 0.5, hole 0.3, Component Side to Solder Side, 227 vias
v2: diameter 1.5, hole 0.8, Component Side to Solder Side, 50 vias

## Nets (pads, with @x,y where several pads share a name; then routed paths per layer and width w, separated by ;. In a path a pad name is that pad's centre, name@x,y a point inside that pad or via, vN(x,y) a via of type N, cw(c..) or ccw(c..) an arc to the next point about the centre after c; other vN are vias at no path point)
CAM_485_A: P6.6 RS2_U_4851.2 | length 115.6
  Component Side w0.3: v1(87.503,99.187) 87.528,99.212 RS2_U_4851.2@87.528,100.53 ; v1(128.524,64.77) 138.557,64.77 139.192,64.135 139.192,61.214 138.43,60.452 137.033,60.452 133.35,56.769 133.35,50.165 134.874,48.641 137.414,48.641 143.002,43.053 P6.6@143.002,38.633
  POWER Layer 1 w0.3: v1(87.503,99.187) 87.503,95.377 95.631,87.249 116.586,87.249 130.683,73.152 130.683,72.644 129.794,71.755 128.016,71.755 127.381,72.39 v1(127.127,72.39)
  Solder Side w0.3: v1(127.127,72.39) 128.524,70.993 v1(128.524,64.77)
CAM_485_B: P6.5 RS1_U_4851.2 | length 105.6
  Component Side w0.3: RS1_U_4851.2@85.496,100.403 85.496,99.416 v1(85.725,99.187) ; v1(130.556,66.04) 139.065,66.04 140.97,64.135 140.97,48.641 146.812,42.799 P6.5@146.812,38.633
  POWER Layer 1 w0.3: v1(85.725,99.187) 86.741,98.171 86.741,92.456 92.71,86.487 115.697,86.487 v1(129.159,73.025)
  Solder Side w0.3: v1(129.159,73.025) 130.556,71.628 v1(130.556,66.04)
CAM_A: G4.4 P6.8 | length 51.9
  Solder Side w1: P6.8@135.382,38.633 135.382,40.132 133.858,41.656 120.015,41.656 116.205,45.466 116.205,53.086 117.856,54.737 135.391,54.737 G4.4@136.465,55.811
CAM_B: G4.3 P6.7 | length 56.9
  Component Side w1: G4.3@136.465,62.851 132.842,59.228 122.728,59.228 116.84,53.34 116.84,48.26 118.491,46.609 134.493,46.609 138.176,42.926 138.176,39.649 P6.7@139.192,38.633
CLK: U3.49
COIL_IN_A: P6.13 R44.2 | length 141
  Component Side w0.254: R44.2@38.735,78.422 39.688,78.422 v1(40.64,79.375)
  POWER Layer 1 w0.254: v1(40.64,79.375) 54.737,65.278 64.897,65.278 84.478,45.697 158.219,45.697 162.052,49.53 P6.13@162.052,51.308
COIL_OUT_A: P6.17 R47.2 | length 131.2
  Component Side w0.254: R47.2@35.941,78.422 35.941,79.375 v1(36.576,80.01)
  POWER Layer 1 w0.254: v1(36.576,80.01) 37.211,80.01 38.735,81.534 42.06,81.534 56.284,67.31 65.151,67.31 85.598,46.863 146.177,46.863 146.812,47.498 P6.17@146.812,51.308
COIL_PR_A: P6.15 R46.2 | length 135.6
  Component Side w0.254: R46.2@37.338,78.422 37.338,78.994 v1(38.227,79.883)
  POWER Layer 1 w0.254: v1(38.227,79.883) 39.497,79.883 39.878,80.264 40.767,80.264 54.991,66.04 65.278,66.04 85.217,46.101 151.13,46.101 154.432,49.403 P6.15@154.432,51.308
DIO: U3.46
DOWN_PR_A: P6.21 R50.2 | length 108.9
  Component Side w0.254: R50.2@38.811,62.408 38.811,63.195 v1(39.751,64.135)
  POWER Layer 1 w0.254: v1(39.751,64.135) 40.005,63.881 65.151,63.881 83.947,45.085 129.159,45.085 v1(129.794,44.45) ; P6.21@131.572,50.292 P6.21@131.572,51.308
  Solder Side w0.254: v1(129.794,44.45) 131.572,46.228 P6.21@131.572,51.308
DOWN_PR_TEST1: P5.2 R51.2 | length 82.2
  Component Side w0.254: R51.2@37.414,62.408 37.414,63.703 v1(37.973,64.262)
  POWER Layer 1 w0.254: v1(37.973,64.262) 38.989,63.246 63.881,63.246 82.677,44.45 102.489,44.45 106.147,40.792 P5.2@106.147,38.583
DOWN_PR_TEST2: P5.4 R52.2 | length 76.5
  Component Side w0.254: R52.2@36.017,62.408 36.017,63.83 v1(36.576,64.389)
  POWER Layer 1 w0.254: v1(36.576,64.389) 36.576,64.008 37.973,62.611 63.373,62.611 82.931,43.053 96.52,43.053 98.527,41.046 P5.4@98.527,38.583